# Altium PCB DWJC_Board2.PcbDoc (part 1 of 3)
Units mil, origin at the board's own origin, x right, y up, seen from the top; angles counter-clockwise.
Board outline 3947.04 x 3947.04 mil, 2 copper layers (Top Layer, Bottom Layer); 271 components, 195 nets, 853 pads, 792 vias.
Unrouted connection lines stored in the file: 1.
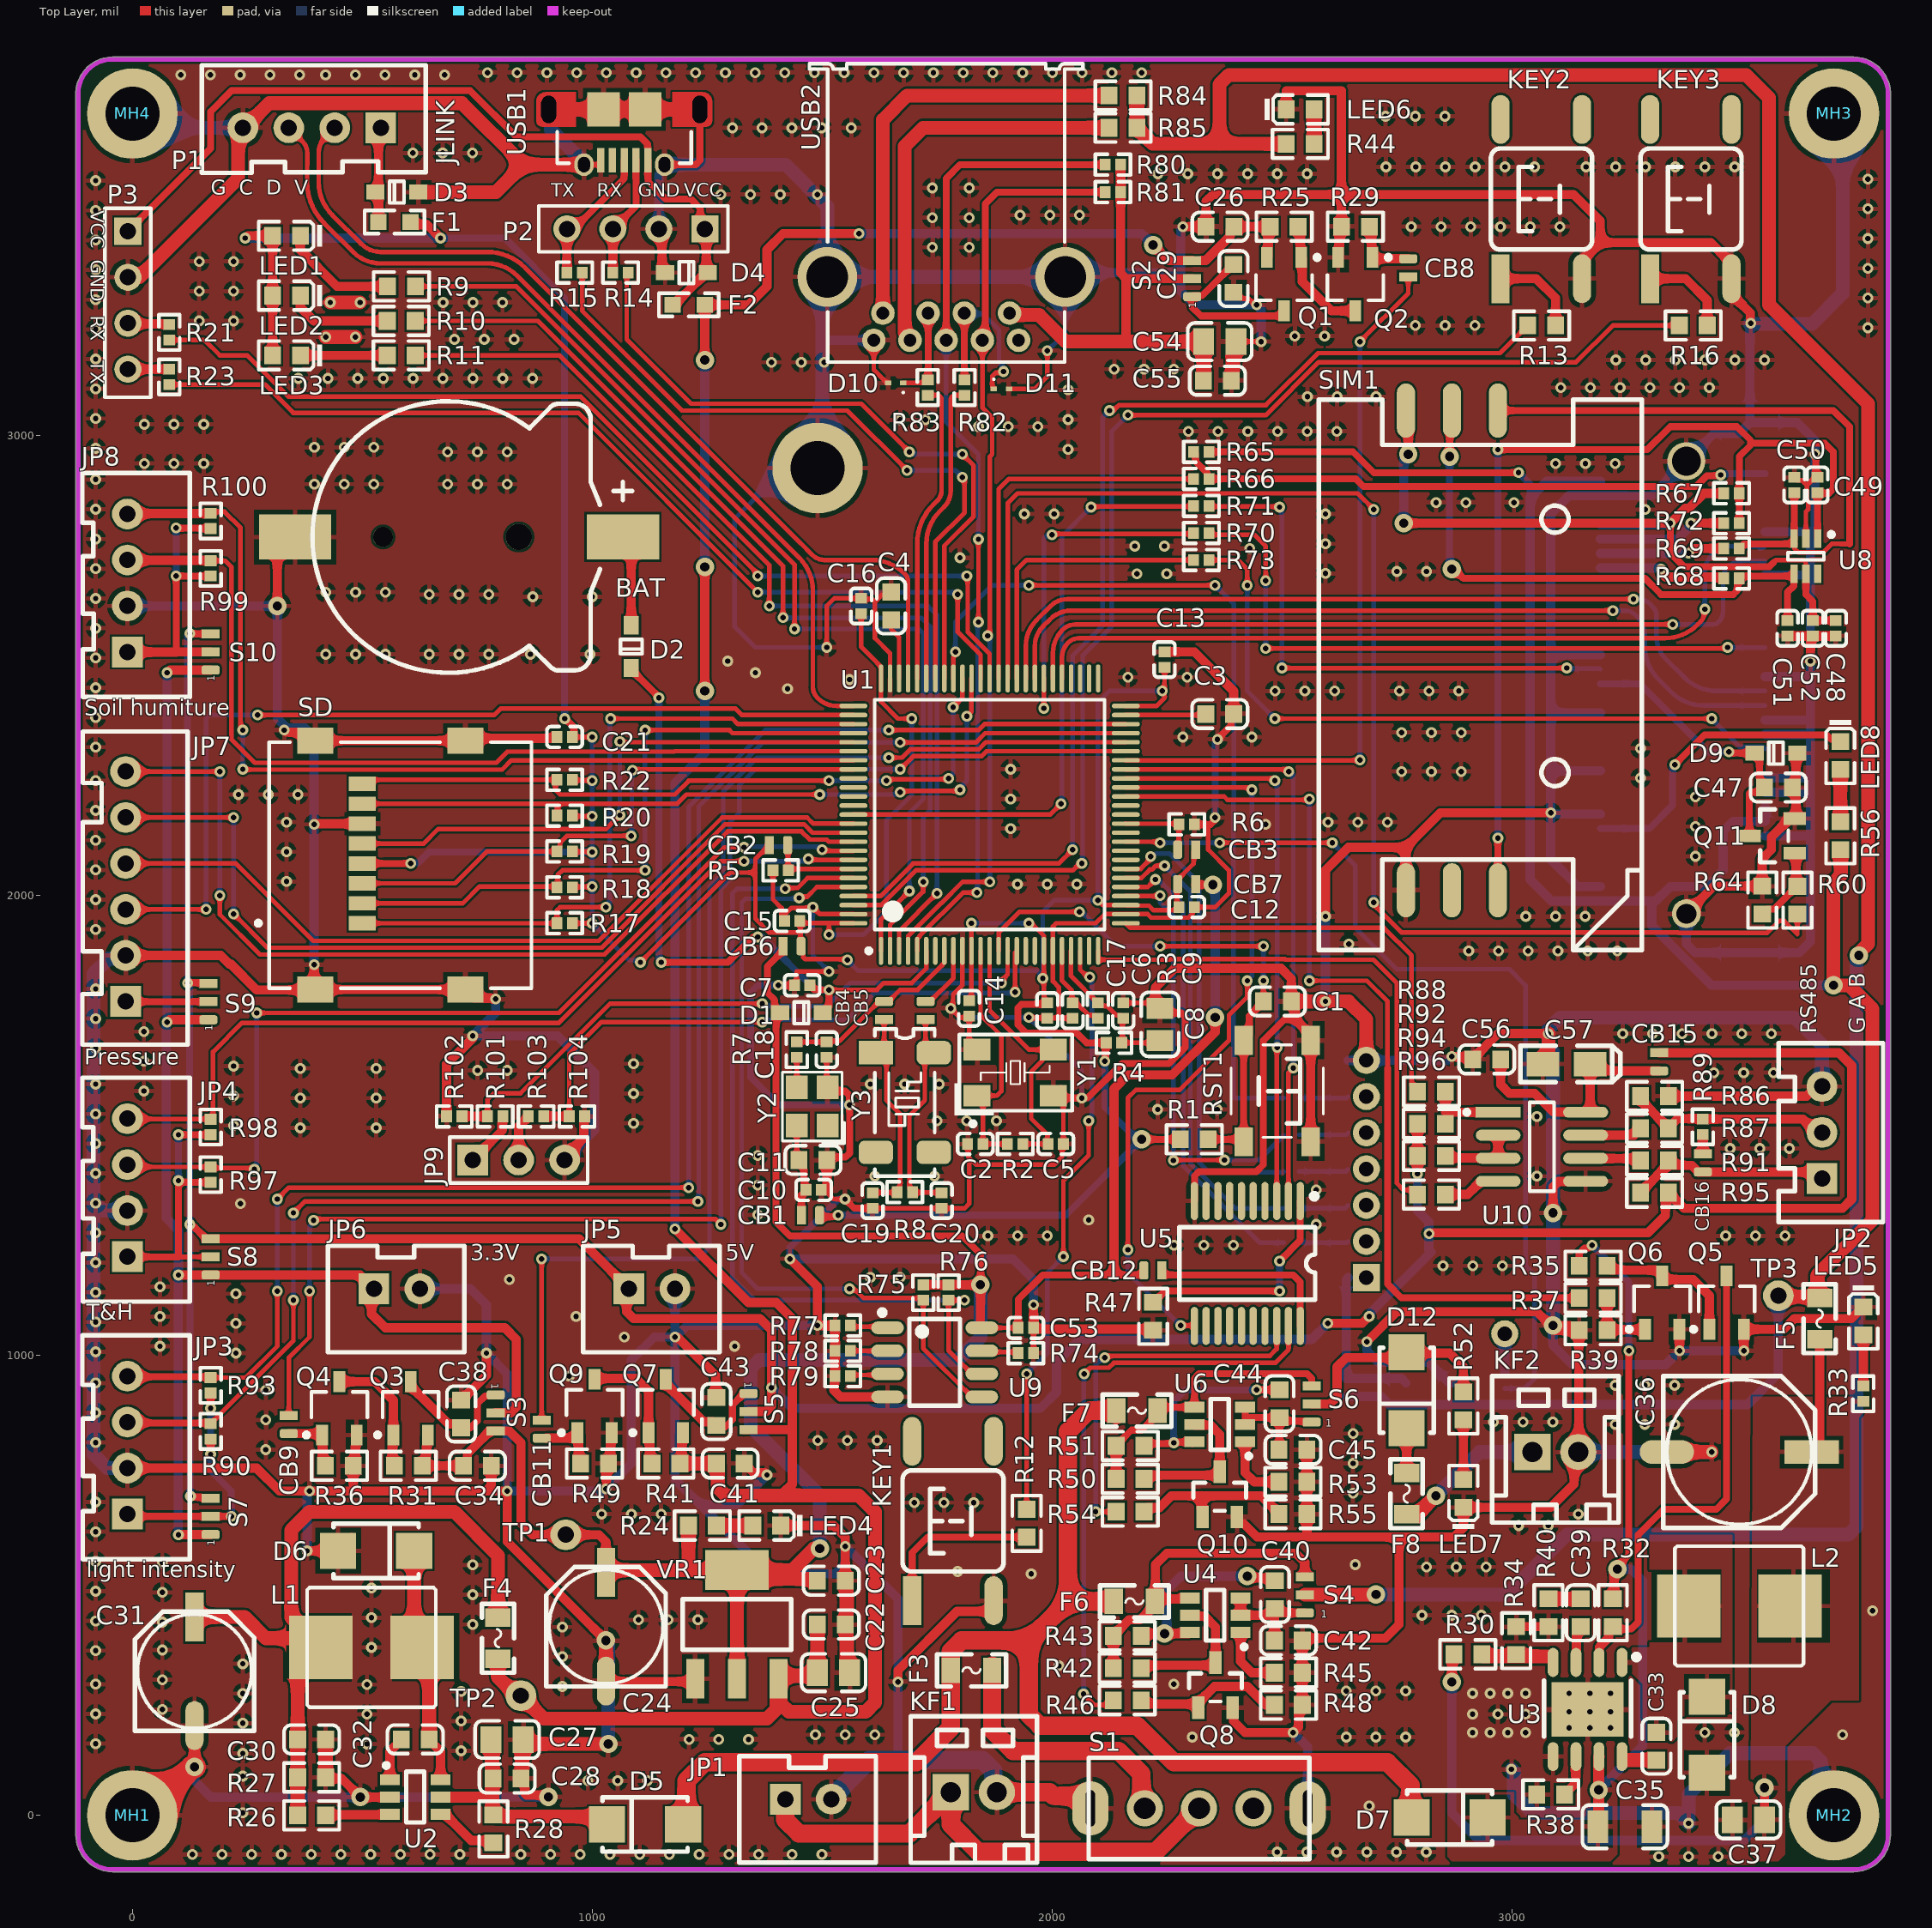
[diagram p0: Top Layer view]
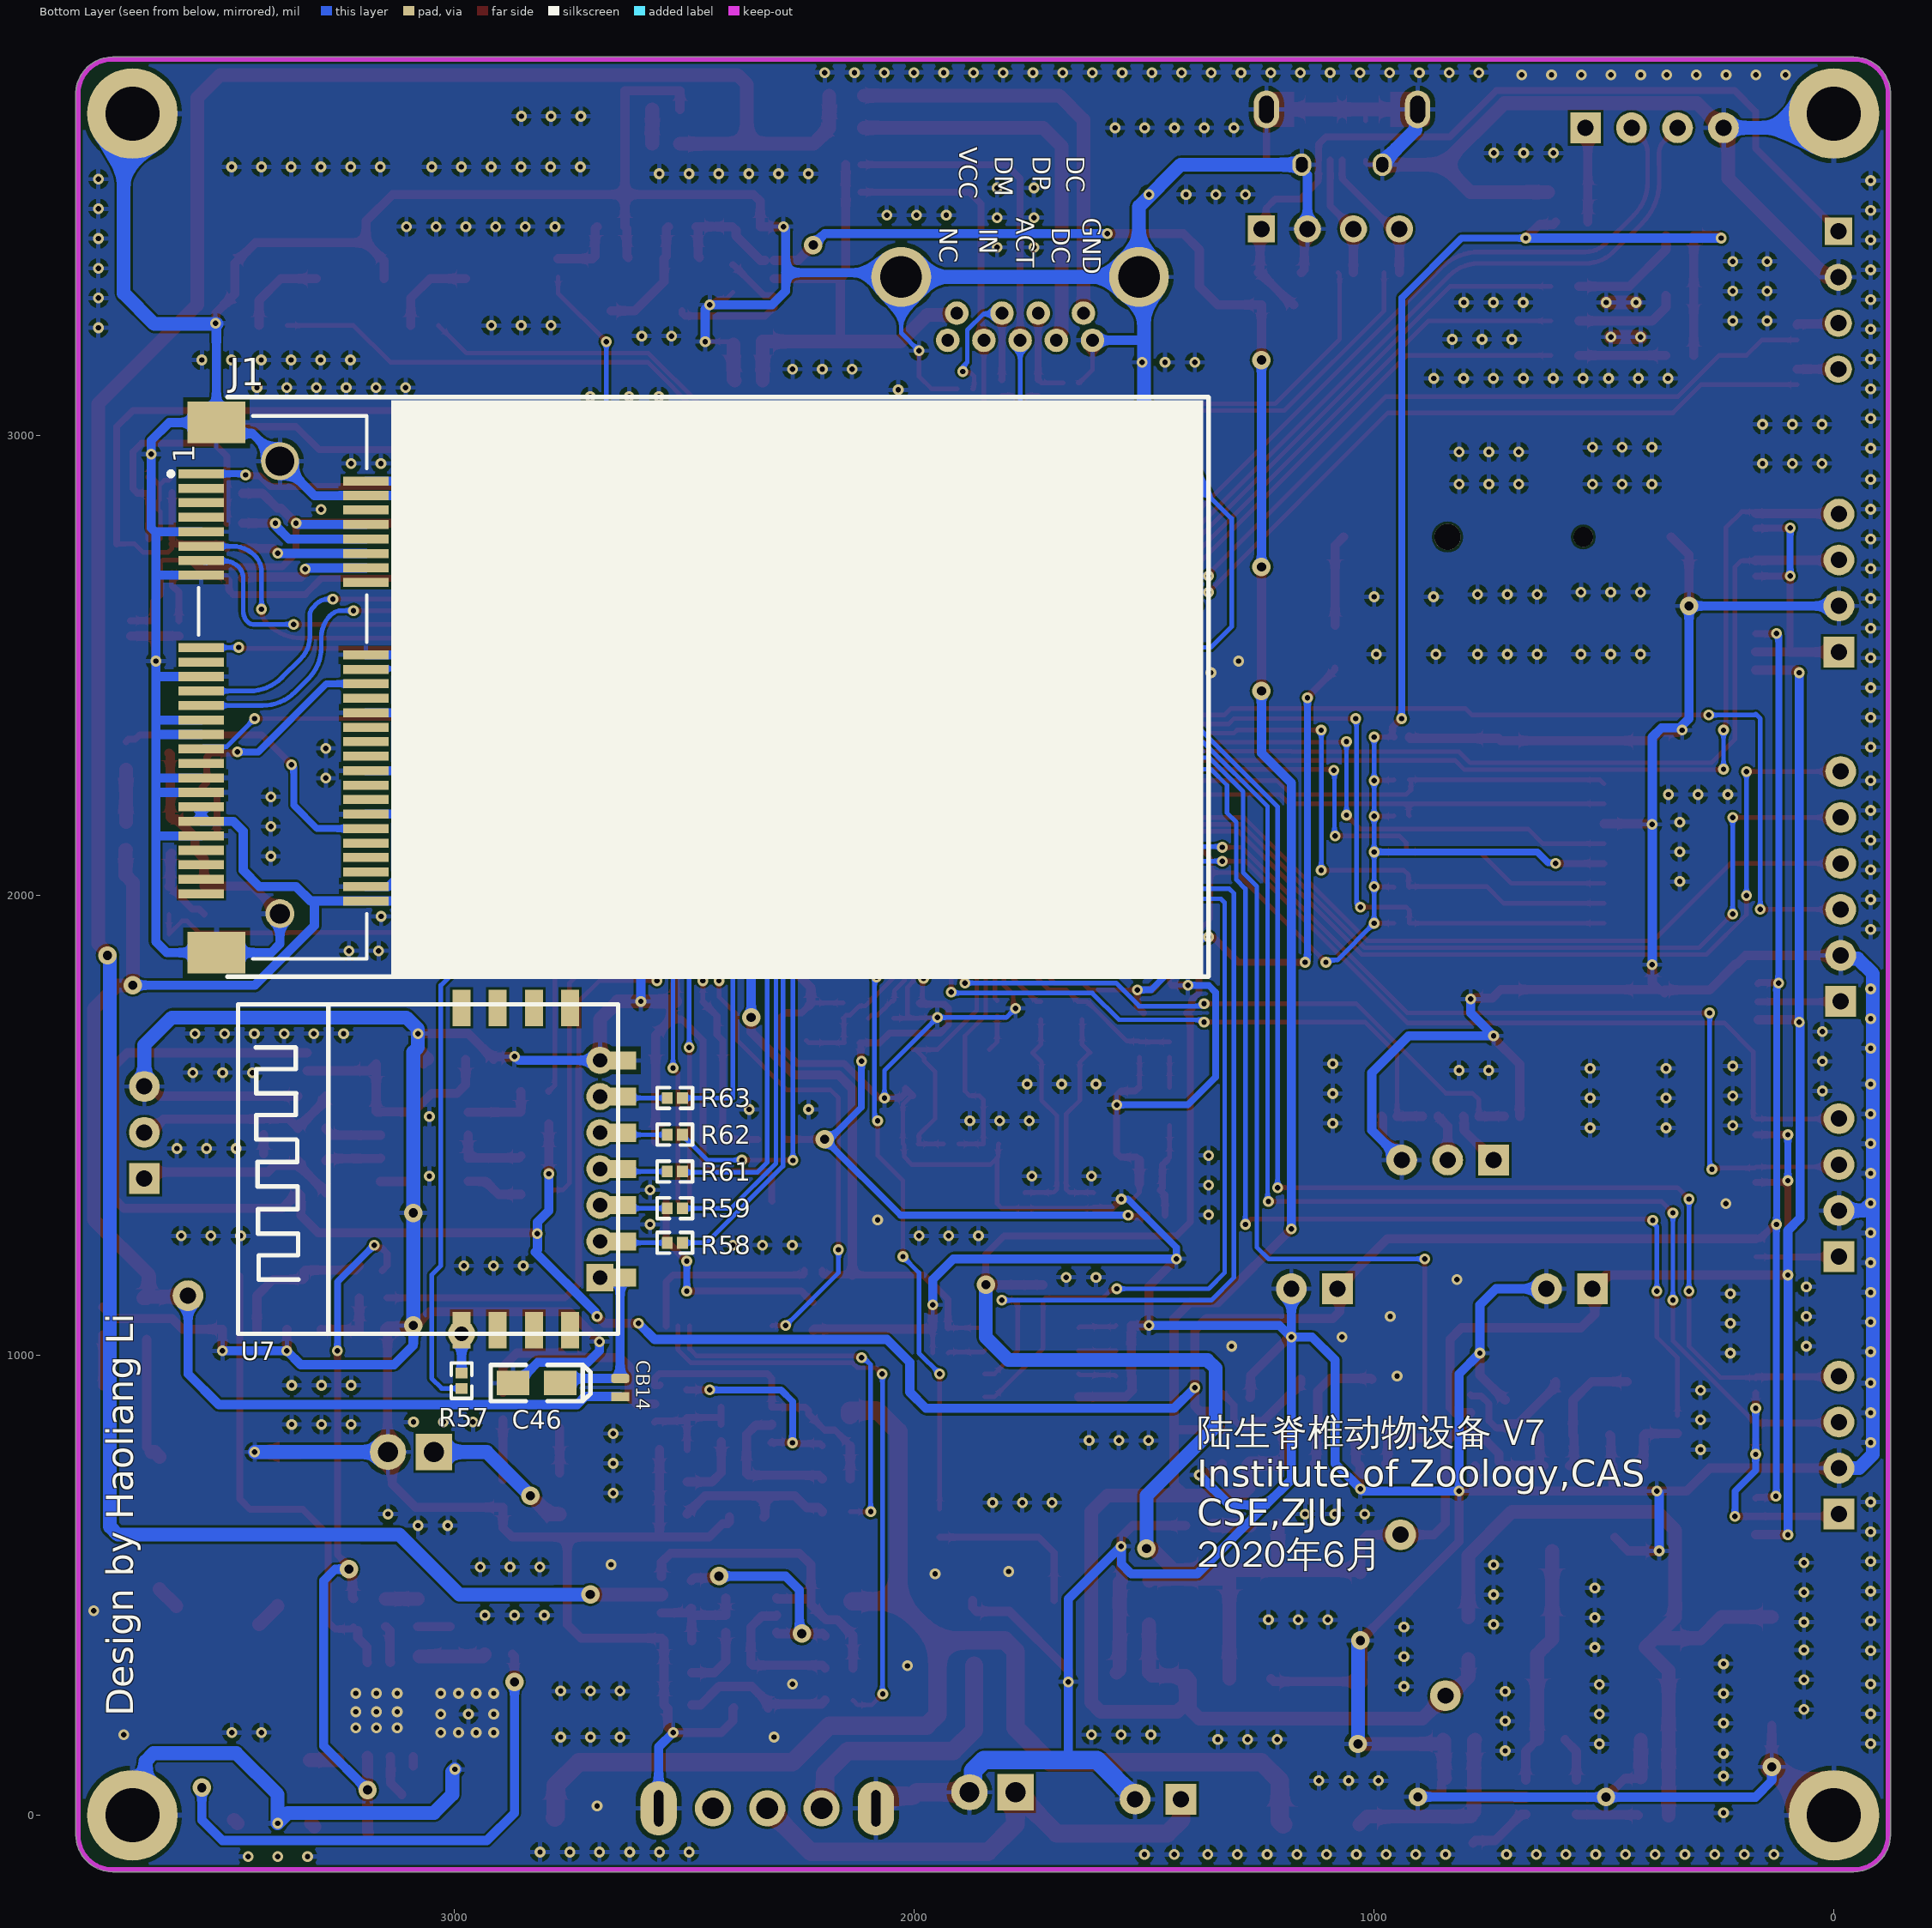
[diagram p1: Bottom Layer view, seen from below]

## Layer stack, top to bottom
Top Solder: solder mask 0.4, Solder Resist, Dk 3.5
Top Layer: signal copper 1.4
Dielectric 1: dielectric 12.6, FR-4, Dk 4.8
Bottom Layer: signal copper 1.4
Bottom Solder: solder mask 0.4, Solder Resist, Dk 3.5

## Board outline
-123.13,-43.11 ccw(c-43.11,-43.11) -43.17,-123.13 ccw(c-43.11,-118.11) -43.11,-123.13 3743.9,-123.13 ccw(c3743.9,-43.11) 3823.91,-43.11 3823.91,3746.89 ccw(c3818.9,3746.89) 3823.81,3747.88 ccw(c3743.9,3743.9) 3743.9,3823.91 -43.11,3823.91 ccw(c-43.11,3743.9) -123.03,3747.88 ccw(c-118.11,3746.89) -123.13,3746.89

## Design rules (kind name [scope] priority, off if disabled: settings)
Clearance [All] p1: gap=5 ignorepadtopadclearanceinfootprint=FALSE
DiffPairsRouting [All] p1: maxlimit=10 minlimit=5 mostfreqgap=10 toplayer_minwidth=5 toplayer_maxwidth=15 toplayer_prefwidth=15 bottomlayer_minwidth=5 bottomlayer_maxwidth=15 bottomlayer_prefwidth=15 maxuncoupledlength=500
HoleSize [All] p1: absolutevalues=TRUE maxlimit=248.03 minlimit=7.87 maxpercent=80.000 minpercent=20.000
HoleToHoleClearance [All] p1: gap=5 allowstackedmicrovias=TRUE
MinimumSolderMaskSliver [All] p1: minsoldermaskwidth=1.8
NetAntennae [All] p1: netantennaetolerance=1
PolygonConnect [All] p1: connectstyle=Relief reliefconductorwidth=10 reliefentries=4 polygonreliefangle="90 Angle" airgapwidth=10
RoutingVias [All] p1: holewidth=28 width=50 viastyle="Through Hole" minholewidth=11.81 minwidth=23.62 maxholewidth=28 maxwidth=50
SilkToSilkClearance [All] p1: silktosilkclearance=1
SilkToSolderMaskClearance [IsPad] p1: minsilkscreentomaskgap=1 clearancetoexposedcopper=TRUE
SolderMaskExpansion [All] p1: expansion=4
Width [All] p1: maxlimit=50 minlimit=5 preferedwidth=10
23 further rules are at their usual default settings.

## Classes and differential pairs
component class WiFi&4G_F2: C46 C47 C48 C49 C50 C51 C52 CB14 D9 J1 LED8 Q11 R56 R57 R58 R59 R60 R61 R62 R63 R64 R65 R66 R67 R68 R69 R70 R71 R72 R73 SIM1 U7 U8
component class PWR_F2: C22 C23 C24 C25 C26 C27 C28 C29 C30 C31 C32 C33 C34 C35 C36 C37 C38 C39 C40 C41 C42 C43 C44 C45 CB8 CB9 CB11 CB12 D5 D6 D7 D8 F3 F4 F5 F6 F7 JP1 KF1 L1 L2 LED4 LED5 LED6 LED7 MH1 MH2 MH3 MH4 Q1 Q2 Q3 Q4 Q5 Q6 Q7 Q8 Q9 Q10 R24 R25 R26 R27 R28 R29 R30 R31 R32 R33 R34 R35 R36 R37 R38 R39 R40 R41 R42 R43 R44 R45 R46 R47 R48 R49 R50 R51 R52 R53 R54 R55 S1 S2 S3 S4 S5 S6 TP1 TP2 TP3 U2 U3 U4 U5 U6 VR1
component class MCU_F2: BAT C1 C2 C3 C4 C5 C6 C7 C8 C9 C10 C11 C12 C13 C14 C15 C16 C17 C18 C19 C20 C21 CB1 CB2 CB3 CB4 CB5 CB6 CB7 D1 D2 D3 D4 F1 F2 KEY1 KEY2 KEY3 LED1 LED2 LED3 P1 P2 P3 R1 R2 R3 R4 R5 R6 R7 R8 R9 R10 R11 R12 R13 R14 R15 R16 R17 R18 R19 R20 R21 R22 R23 RST1 SD U1 USB1 Y1 Y2 Y3
component class Device_F2: C53 C54 C55 C56 C57 CB15 CB16 D10 D11 D12 F8 JP2 JP3 JP4 JP5 JP6 JP7 JP8 JP9 KF2 R74 R75 R76 R77 R78 R79 R80 R81 R82 R83 R84 R85 R86 R87 R88 R89 R90 R91 R92 R93 R94 R95 R96 R97 R98 R99 R100 R101 R102 R103 R104 S7 S8 S9 S10 U9 U10 USB2
differential pair USB: +USB_P -USB_N

## Components (designator, comment, footprint, x,y, rotation, side; value= is the part's Value field where it differs from the comment)
BAT "BAT CR1220" CR1220_B 686.73,2780 r0 top
C1 "100nF" 0603_C 2490.32,1770 r180 top
C2 "22pF" 0402_C 1833.27,1460 r180 top
C3 "2.2uF" 0603_C 2365,2395 r180 top
C4 "2.2uF" 0603_C 1650,2630 r270 top
C5 "22pF" 0402_C 2008.27,1460 r0 top
C6 "100nF" 0402_C 2045,1750 r90 top
C7 "100nF" 0402_C 1456.73,1805 r180 top
C8 "10uF" 0805_C 2235,1719.96 r270 top
C9 "100nF" 0402_C 2155,1750 r270 top
C10 "1nF" 0402_C 1481.73,1360 r180 top
C11 "10uF" 0603_C 1480.32,1425 r180 top
C12 "100nF" 0402_C 2293.27,1975 r0 top
C13 "100nF" 0402_C 2245,2513.27 r90 top
C14 "100nF" 0402_C 1820,1755 r270 top
C15 "100nF" 0402_C 1435,1945 r180 top
C16 "100nF" 0402_C 1585,2630 r90 top
C17 "100nF" 0402_C 1990,1750 r270 top
C18 "10pF" 0402_C 1510,1665 r90 top
C19 "6pF" 0402_C 1610,1336.73 r270 top
C20 "6pF" 0402_C 1760,1336.73 r270 top
C21 "100nF" 0402_C 940,2345 r180 top
C22 "100nF" 0603_C 1520,414.82 r180 top
C23 "100nF" 0603_C 1520,510 r180 top
C24 "220uF" "CT 6*6 - C" 1030,410 r90 top
C25 "10uF" 0805_C 1525,310 r180 top
C26 "1uF" 0603_C 2365.67,3455 r0 top
C27 "10uF" 0805_C 814.96,164.74 r0 top
C28 "100nF" 0603_C 815,80 r180 top
C29 "1uF" 0603_C 2395,3342.09 r90 top
C30 "100nF" 0603_C 389.68,164.74 r0 top
C31 "220uF" "CT 6*6 - C" 135,313.11 r90 top
C32 "10nF" 0603_C 615,165 r0 top
C33 "100nF" 0603_C 3315,150 r90 top
C34 "1uF" 0603_C 750.32,760 r180 top
C35 "10uF" 1206_C 3246.34,-25 r0 top
C36 "470uF" "CT 8*7 - C" 3495,790 r0 top
C37 "22uF" 0805_C 3515,-10 r0 top
C38 "1uF" 0603_C 715,872.91 r270 top
C39 "220pF" 0603_C 3150,440.32 r270 top
C40 "1nF" 0603_C 2485,480 r90 top
C41 "1uF" 0603_C 1300.32,765 r180 top
C42 "100nF" 0603_C 2514.33,380 r180 top
C43 "1uF" 0603_C 1270,877.91 r270 top
C44 "1nF" 0603_C 2495,895 r90 top
C45 "100nF" 0603_C 2524.33,795 r180 top
C46 "10uF" CASE-A_3216 2821.57,940 r180 bottom
C47 "100nF" 0603_C 3580,2235 r180 top
C48 "100nF" 0402_C 3705,2581.46 r90 top
C49 "33pF" 0402_C 3665,2893.19 r270 top
C50 "33pF" 0402_C 3615,2893.19 r270 top
C51 "33pF" 0402_C 3600,2581.46 r90 top
C52 "33pF" 0402_C 3655,2581.46 r90 top
C53 "100nF" 0402_C 1943.27,1060 r0 top
C54 "10uF" 0805_C 2365.04,3205 r180 top
C55 "100nF" 0603_C 2360,3120 r180 top
C56 "100nF" 0603_C 2945.75,1643.9 r0 top
C57 "10uF" CASE-A_3216 3119.17,1633.9 r0 top
CB1 "CB" CW 1455,1305 r0 top
CB2 "CB" CW 1385.63,2110 r0 top
CB3 "CB" CW 2312.95,2100 r180 top
CB4 "CB" CW 1635,1730.63 r90 top
CB5 "CB" CW 1725,1730.63 r90 top
CB6 "CB" CW 1415,1890 r0 top
CB7 "CB" CW 2312.95,2025 r180 top
CB8 "CB" CW 2775,3345.63 r90 top
CB9 "CB" CW 340,869.37 r270 top
CB11 "CB" CW 890,859.37 r270 top
CB12 "CB" CW 2239.37,1185 r180 top
CB14 "CB" CW 2640,910.63 r90 bottom
CB15 "CB" CW 3320.75,1658.27 r270 top
CB16 "CB" CW 3415.75,1438.27 r270 top
D1 "1N4148" SOD-323 1455,1745 r180 top
D2 "1N4148" SOD-323 1085,2541.46 r90 top
D3 "LESD3Z3.3T1G" SOD-323 575,3530 r0 top
D4 "LESD3Z5.0T1G" SOD-323 1205,3355 r180 top
D5 "SS24" SMA(DO-214AC)_S1 1115,-20 r0 top
D6 "SS24" SMA(DO-214AC)_S1 530,575 r180 top
D7 "SS24" SMA(DO-214AC)_S1 2865,-5 r180 top
D8 "SS24" SMA(DO-214AC)_S1 3425,175 r270 top
D9 "LESD3Z5.0T1G" SOD-323 3575,2310 r0 top
D10 "ESD9L5.0ST5G" ONSC-SOD-923-2-514AB-01_V 1660,3115 r180 top
D11 "ESD9L5.0ST5G" ONSC-SOD-923-2-514AB-01_V 1890,3102.2 r0 top
D12 "SS24" SMA(DO-214AC)_S1 2771.58,924.4 r90 top
F1 "5V 1A" "FU 0603" 570,3465 r0 top
F2 "5V 1A" "FU 0603" 1210,3285 r0 top
F3 "5V 3A" "FU 0805" 1825,315 r180 top
F4 "5V 2A" "FU 0805" 795,385 r270 top
F5 "5V 2A" "FU 0805" 3670,1080 r90 top
F6 "12V 1A" "FU 0805" 2179.37,465 r180 top
F7 "12V 1A" "FU 0805" 2185,880 r180 top
F8 "12V 1A" "FU 0805" 2771.58,699.4 r90 top
J1 "EC25-AU" PCIEmin-i 3380,1960.75 r90 bottom
JP1 "XH-2.56-2P" XH2.54-2P 1420,35 r0 top
JP2 "HDR-1X3" XH2.54-3P 3675,1385 r90 top
JP3 "IIC" XH2.54-4P -11,655 r90 top
JP4 "IIC" XH2.54-4P -11,1215 r90 top
JP5 "XH-2.56-2P" XH2.54-2P 1080,1145 r0 top
JP6 "XH-2.56-2P" XH2.54-2P 525,1145 r0 top
JP7 "SPI" XH2.54-6P -15,1770 r90 top
JP8 "IIC" XH2.54-4P -11,2530 r90 top
JP9 "HDR-1X3" HDR-1X3 740,1425 r0 top
KEY1 "KEY" "TSW SMD-6*6*5" 1785,640 r90 top
KEY2 "KEY" "TSW SMD-6*6*5" 3065,3515 r90 top
KEY3 "KEY" "TSW SMD-6*6*5" 3390,3515 r90 top
KF1 "DC" KF2EDGK-2.54-LI-2P 1830,50.36 r0 top
KF2 "DC" KF2EDGK-2.54-LI-2P 3095,790.36 r0 top
L1 "4.7uH/2.45A" L_0630 520,365 r0 top value=10uH/2.45A
L2 "10uH/2.45A" L_0630 3495,455 r0 top
LED1 "绿灯 0603" 0603_LED_S1 335,3435 r180 top
LED2 "黄灯 0603" 0603_LED_S1 335,3305 r180 top
LED3 "蓝灯 0603" 0603_LED_S1 335,3175 r180 top
LED4 "NC" 0603_LED_S1 1379.69,630 r180 top
LED5 "黄灯 0603" 0603_LED_S1 3765,1075 r270 top
LED6 "NC" 0603_LED_S1 2540,3710 r0 top
LED7 "NC" 0603_LED_S1 2895,700 r90 top
LED8 "蓝灯 0603" 0603_LED_S1 3715,2304.69 r270 top
MH1 "Locating Hole" lh 0,0 r0 top
MH2 "Locating Hole" lh 3700.79,0 r0 top
MH3 "Locating Hole" lh 3700.79,3700.79 r0 top
MH4 "Locating Hole" lh 0,3700.79 r0 top
P1 "JLINK" XH2.54-4P 540,3670 r180 top
P2 "LOG" "HDR-4P UART" 1245,3450 r180 top
P3 "LOG" "HDR-4P UART" -10,3445 r270 top
Q1 "AO3401A" SOT-23-3L 2505,3330 r90 top
Q2 "AO3400A" SOT-23-3L 2660,3330 r90 top
Q3 "AO3401A" SOT-23-3L 605,885 r270 top
Q4 "AO3400A" SOT-23-3L 450,885 r270 top
Q5 "AO3400A" SOT-23-3L 3467.52,1115.02 r270 top
Q6 "AO3400A" SOT-23-3L 3327.52,1115.02 r270 top
Q7 "AO3401A" SOT-23-3L 1160,890 r270 top
Q8 "SS8050" SOT-23(SOT-23-3) 2355.61,282.78 r270 top
Q9 "AO3400A" SOT-23-3L 1005,890 r270 top
Q10 "SS8050" SOT-23(SOT-23-3) 2365,697.78 r270 top
Q11 "SS8050" SOT-23(SOT-23-3) 3566.41,2130 r0 top
R1 "10KΩ" 0603_R 2309.68,1470 r0 top
R2 "NC" 0402_R 1920,1460 r180 top value=1MΩ
R3 "0Ω" 0402_R 2100,1750 r90 top
R4 "10Ω" 0402_R 2135,1680 r0 top
R5 "10KΩ" 0402_R 1410,2055 r180 top
R6 "10KΩ" 0402_R 2293.27,2155 r0 top
R7 "NC" 0402_R 1445,1665 r90 top
R8 "NC" 0402_R 1680,1355 r0 top value=1MΩ
R9 "4.7KΩ" 0603_R 585,3325 r180 top
R10 "4.7KΩ" 0603_R 584.68,3250 r180 top
R11 "4.7KΩ" 0603_R 584.68,3175 r180 top
R12 "4.7KΩ" 0603_R 1945,635 r270 top
R13 "4.7KΩ" 0603_R 3065,3240 r0 top
R14 "10Ω" 0402_R 1061.73,3355 r0 top
R15 "10Ω" 0402_R 961.73,3355 r0 top
R16 "4.7KΩ" 0603_R 3395,3240 r0 top
R17 "47KΩ" 0402_R 940,1940 r180 top
R18 "47KΩ" 0402_R 940,2018 r180 top
R19 "47KΩ" 0402_R 940,2096 r180 top
R20 "47KΩ" 0402_R 940,2174 r180 top
R21 "10Ω" 0402_R 80,3225 r270 top
R22 "47KΩ" 0402_R 940,2252 r180 top
R23 "10Ω" 0402_R 80,3128.27 r270 top
R24 "NC" 0603_R 1239.69,630 r180 top
R25 "100KΩ" 0603_R 2505,3455 r180 top
R26 "49.9KΩ" 0603_R 389.69,-0.26 r0 top
R27 "9.53KΩ" 0603_R 389.69,82.24 r0 top
R28 "100KΩ" 0603_R 785,-30 r90 top
R29 "100KΩ" 0603_R 2660,3455 r0 top
R30 "124KΩ" 0603_R 2904.69,350 r180 top
R31 "100KΩ" 0603_R 600,760 r0 top
R32 "100KΩ" 0603_R 3220,440.32 r270 top
R33 "10KΩ" 0402_R 3765,916.73 r270 top
R34 "40.2KΩ" 0603_R 3010,379.69 r270 top
R35 "100KΩ" 0603_R 3177.2,1195.02 r0 top
R36 "100KΩ" 0603_R 450,760 r180 top
R37 "10KΩ" 0603_R 3177.2,1125.02 r0 top
R38 "200KΩ" 0603_R 3085,45 r180 top
R39 "100KΩ" 0603_R 3177.2,1055.02 r0 top
R40 "68.1KΩ" 0603_R 3080,440.31 r90 top
R41 "100KΩ" 0603_R 1160.31,765 r0 top
R42 "51KΩ" 0603_R 2163.74,320 r180 top
R43 "100KΩ" 0603_R 2163.74,390 r180 top
R44 "10KΩ" 0603_R 2540,3635 r180 top
R45 "4.7KΩ" 0603_R 2514.33,310 r0 top
R46 "4.7KΩ" 0603_R 2163.74,250 r0 top
R47 "4.7KΩ" 0603_R 2220,1085 r270 top
R48 "47KΩ" 0603_R 2514.33,240 r0 top
R49 "100KΩ" 0603_R 1005,765 r180 top
R50 "51KΩ" 0603_R 2170,731.68 r180 top
R51 "100KΩ" 0603_R 2170,803.36 r180 top
R52 "10KΩ" 0603_R 2895,890 r90 top
R53 "4.7KΩ" 0603_R 2524.33,725 r0 top
R54 "4.7KΩ" 0603_R 2170,660 r0 top
R55 "47KΩ" 0603_R 2524.33,655 r0 top
R56 "4.7KΩ" 0603_R 3715,2130 r270 top
R57 "0Ω" 0402_R 2985,945 r270 bottom
R58 "0Ω" 0402_R 2521.1,1245 r0 bottom
R59 "0Ω" 0402_R 2521.1,1320 r0 bottom
R60 "4.7KΩ" 0603_R 3621.41,1990 r90 top
R61 "0Ω" 0402_R 2521.1,1400 r0 bottom
R62 "0Ω" 0402_R 2521.1,1480 r0 bottom
R63 "0Ω" 0402_R 2521.1,1560 r0 bottom
R64 "4.7KΩ" 0603_R 3545,1990.31 r90 top
R65 "10KΩ" 0402_R 2325,2965 r180 top
R66 "22Ω" 0402_R 2325,2906.25 r0 top
R67 "15KΩ" 0402_R 3478.27,2875 r180 top
R68 "22Ω" 0402_R 3478.27,2690 r0 top
R69 "22Ω" 0402_R 3478.27,2755 r0 top
R70 "22Ω" 0402_R 2325,2788.75 r0 top
R71 "22Ω" 0402_R 2325,2847.5 r180 top
R72 "22Ω" 0402_R 3478.27,2810 r0 top
R73 "22Ω" 0402_R 2325,2730 r0 top
R74 "10KΩ" 0402_R 1943.27,1005 r180 top
R75 "4.7KΩ" 0402_R 1720,1136.73 r270 top
R76 "4.7KΩ" 0402_R 1775,1136.73 r270 top
R77 "10KΩ" 0402_R 1545,1065 r180 top
R78 "10KΩ" 0402_R 1545,1010 r180 top
R79 "10KΩ" 0402_R 1545,955 r180 top
R80 "10KΩ" 0402_R 2132.64,3590 r0 top
R81 "10KΩ" 0402_R 2132.64,3530 r0 top
R82 "0Ω" 0402_R 1810,3105 r90 top
R83 "0Ω" 0402_R 1730,3105 r90 top
R84 "NC" 0603_R 2154.68,3740 r180 top
R85 "0Ω" 0603_R 2154.68,3670 r180 top
R86 "4.7KΩ" 0603_R 3310.75,1563.9 r0 top
R87 "10Ω" 0603_R 3310.75,1493.9 r0 top
R88 "22Ω" 0603_R 2825.75,1573.9 r0 top
R89 "120Ω" 0402_R 3415.75,1497.17 r90 top
R90 "4.7KΩ" 0402_R 170,835 r90 top
R91 "10Ω" 0603_R 3310.75,1423.9 r0 top
R92 "10KΩ" 0603_R 2825.43,1503.9 r0 top
R93 "4.7KΩ" 0402_R 170,935 r90 top
R94 "10KΩ" 0603_R 2825.43,1433.9 r0 top
R95 "4.7KΩ" 0603_R 3310.75,1353.9 r180 top
R96 "22Ω" 0603_R 2825.43,1350 r0 top
R97 "4.7KΩ" 0402_R 170,1393.27 r90 top
R98 "4.7KΩ" 0402_R 170,1496.73 r90 top
R99 "4.7KΩ" 0402_R 170,2711.73 r90 top
R100 "4.7KΩ" 0402_R 170,2815 r90 top
R101 "0Ω" 0402_R 788.91,1520 r180 top
R102 "NC" 0402_R 700,1520 r180 top value=0Ω
R103 "0Ω" 0402_R 877.82,1520 r0 top
R104 "NC" 0402_R 966.73,1520 r0 top value=0Ω
RST1 "KEY" "TSW SMD-4*4*1.5" 2490,1575 r270 top
S1 "SW" "SS-12F23 (1P2T)  Straight foot" 2320,15 r180 top